# Allegro board buddy_lay_rev1.brd (continued)
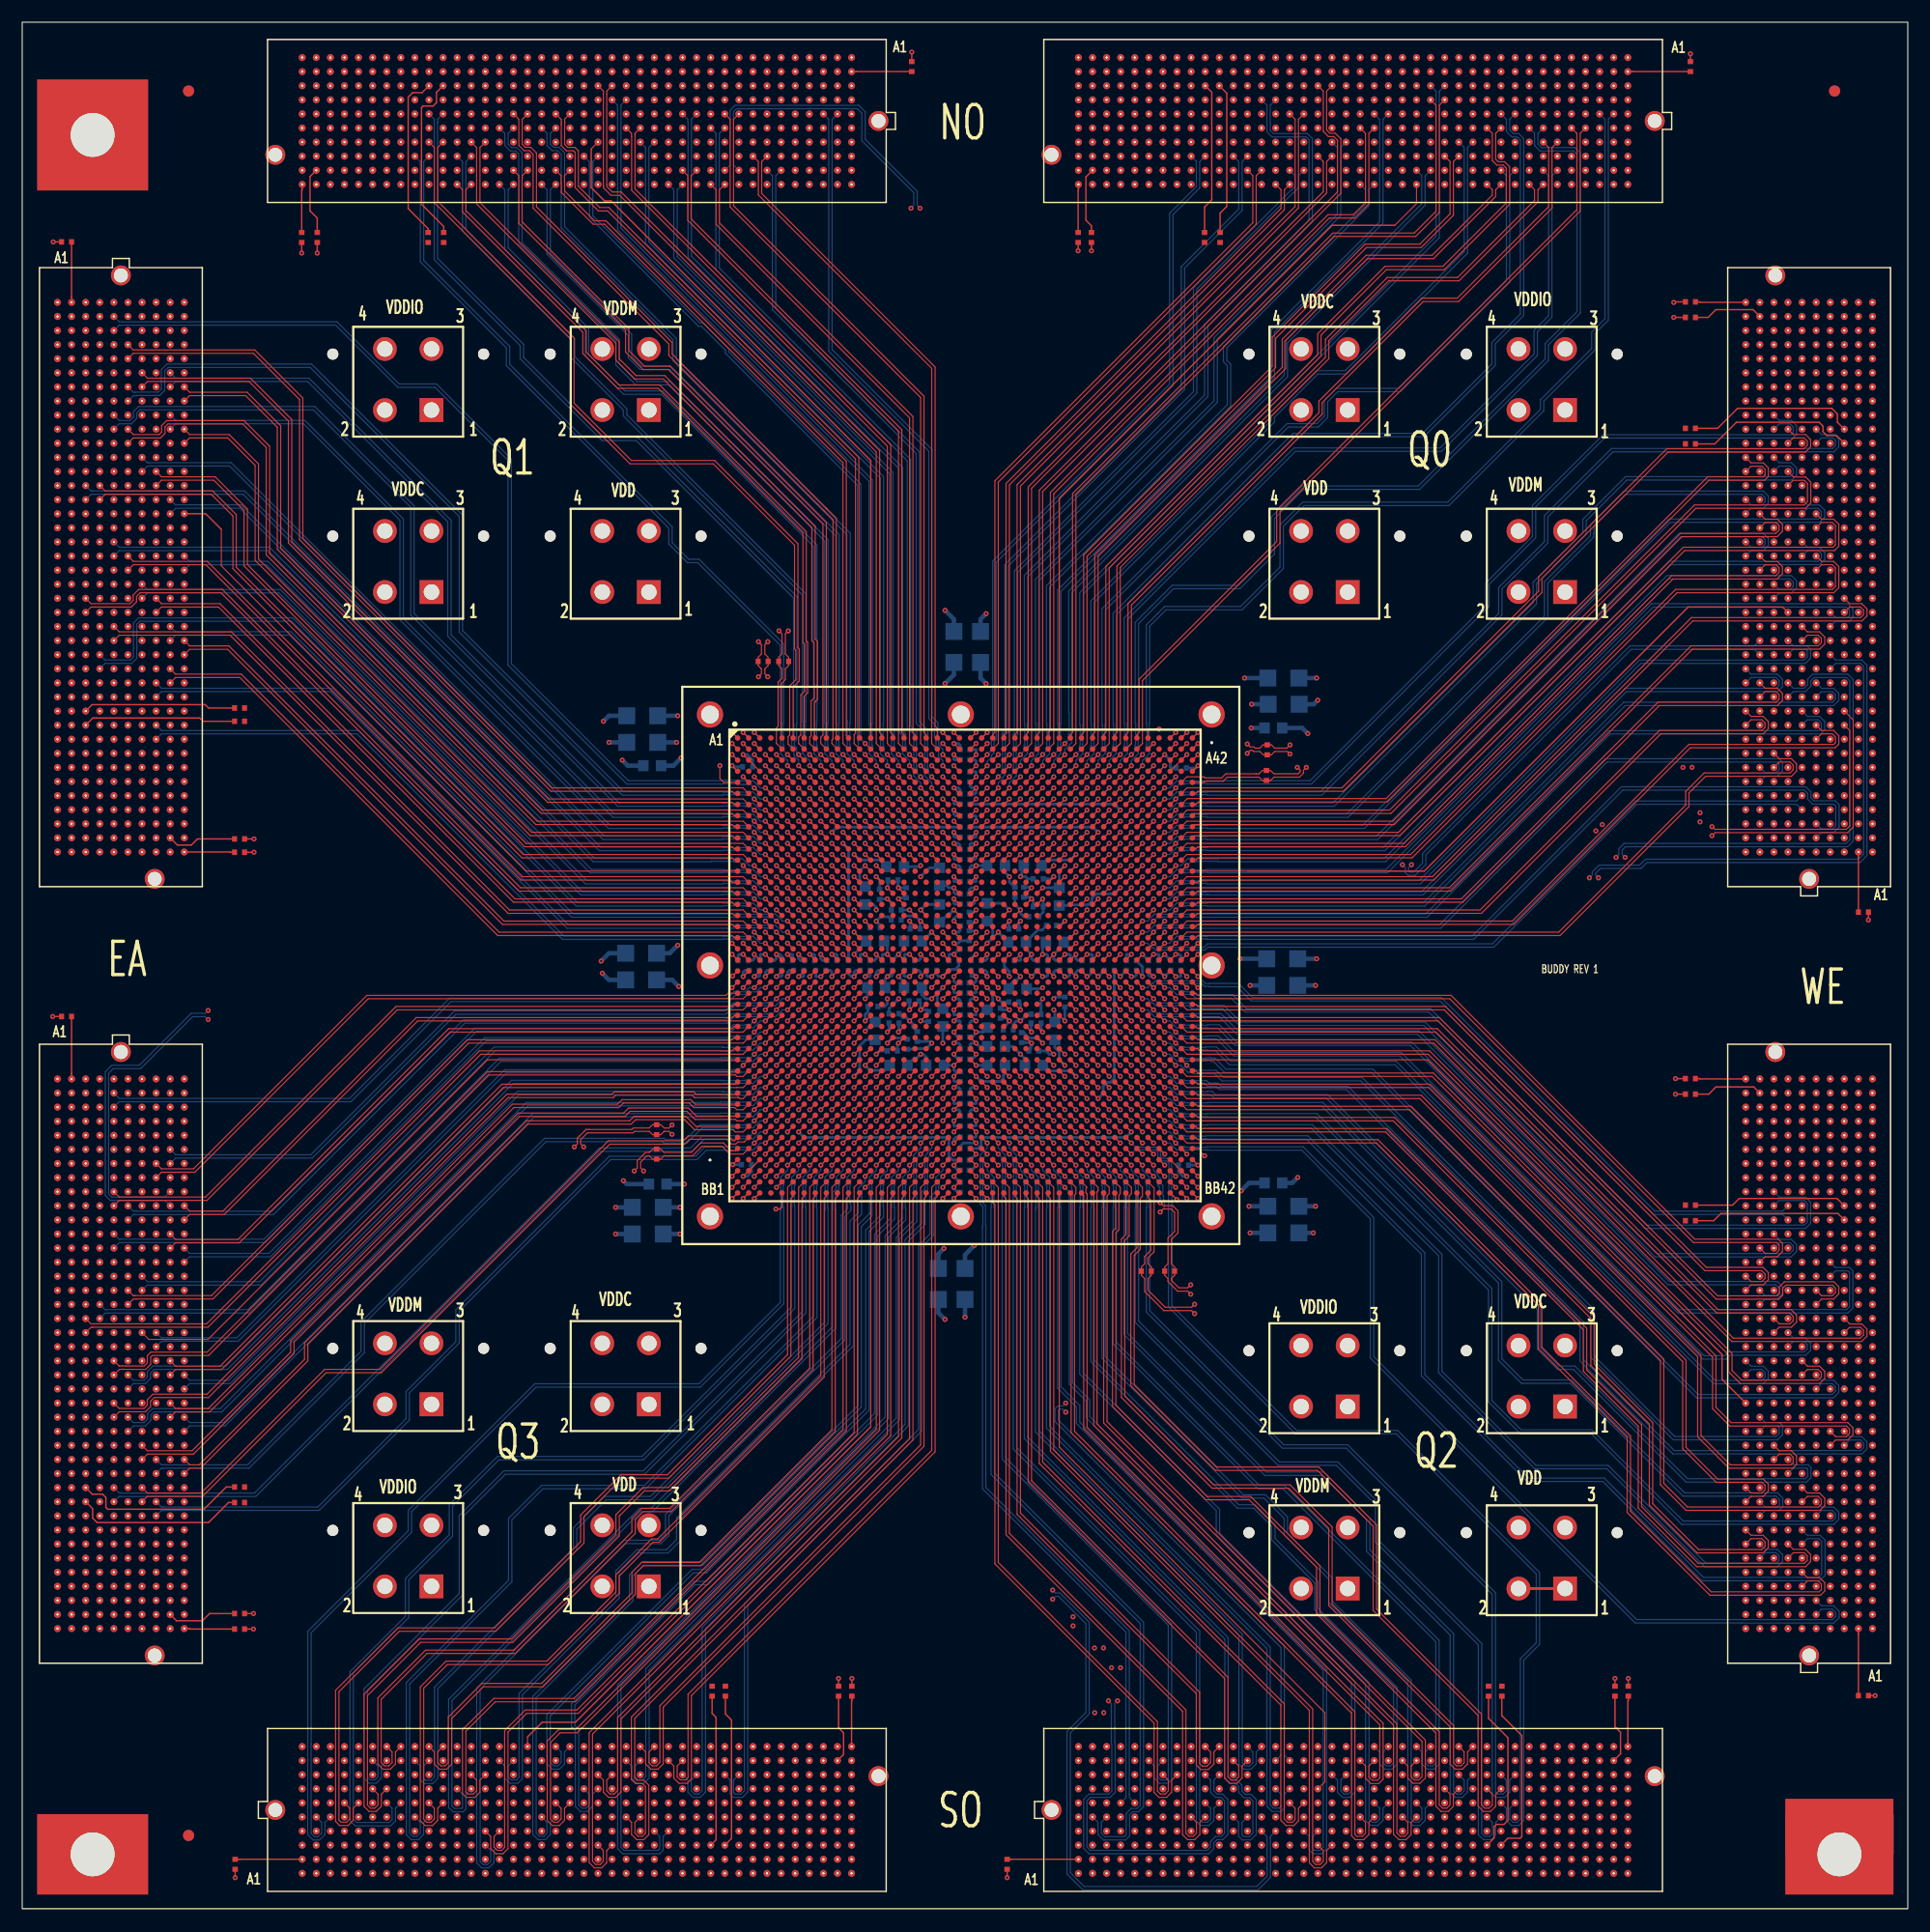
[diagram p0: board, top side]
## Routing (per net, layer and track width the routed paths; a pad name or vN(x,y) marks a point on that pad's centre or on a via; arc(x,y) is an arc through that point) (continued)
WE_P98: length 74.6
  TOP w0.127: U1.AJ31 v1(95,77)
  SIGNAL_L10 w0.081: v1(95,77) 95.4,77 95.9,76.5 110.5,76.5
  SIGNAL_L10 w0.083: J4.K16 123.18,76.5 110.5,76.5
WE_P99: length 73.1
  TOP w0.102: U1.AK41 v1(105,76)
  BOTTOM w0.102: J4.J15 157.14,43.51 158.29,43.51 158.4,43.4 158.4,42.84 158.12,42.56 148.98,42.56 141.7,49.84 141.7,54 120.8,74.9 108.28,74.9 107.63,75.55 105.81,75.55 105.69,75.67 105.54,75.67 105.54,75.68 105.32,75.68 v1(105,76)
WE_P100: length 79.5
  TOP w0.127: U1.AK39 v1(103,76)
  SIGNAL_L12 w0.081: J4.H16 158.39,44.76 159.37,44.76 159.65,44.48 159.65,44.1 159.36,43.81 145.5,43.81 140.99,48.33 139.8,48.33 137.29,50.84 137.29,53.47 133.4,57.37 133.4,65.4 123.14,75.67 108.34,75.67 108.3,75.63 103.85,75.63 103.84,75.63 103.8,75.63 103.77,75.67 103.33,75.67 v1(103,76)
WE_P101: length 78.9
  TOP w0.127: U1.AK37 v1(101,76)
  SIGNAL_L3 w0.081: v1(101,76) 101.34,75.66 101.78,75.66 101.81,75.63 108.35,75.63 108.38,75.66 122.95,75.66 149.28,49.34 149.28,46.32 150.5,45.1 160.77,45.1 161.25,44.62 161.25,43.97 160.77,43.48 159.65,43.48 J4.G15
WE_P102: length 81.1
  TOP w0.127: U1.AK35 v1(99,76)
  SIGNAL_L10 w0.081: v1(99,76) 99,75.97 98.52,75.49 98.52,75.37 98.63,75.26 98.63,74.85 98.85,74.63 105.57,74.63 105.6,74.67 123.2,74.67 154.04,43.83 161.92,43.83 162.19,44.1 162.19,44.48 161.91,44.76 160.93,44.76 J4.F16
WE_P103: length 84.7
  TOP w0.127: U1.AK32 v1(96,76)
  SIGNAL_L5 w0.081: 161.74,43.02 162.2,43.49 163.32,43.49 163.79,43.97 163.79,44.62 163.31,45.11 152.96,45.11 143.66,54.4 122.4,75.67 105.59,75.67 105.53,75.61 105.42,75.61 105.38,75.65 105.35,75.65 105.33,75.63 96.85,75.63 96.8,75.68 96.32,75.68 v1(96,76)
WE_P104: length 78.7
  TOP w0.102: J4.D14 163.49,42.24 164.58,42.24 165.05,42.7 165.05,43.34 164.59,43.8 154.08,43.8 152.7,45.18 152.7,49.83 127.23,75.3 106,75.3 105.8,75.5 U1.AL42
WE_P105: length 81.2
  TOP w0.127: U1.AL40 v1(104,75)
  BOTTOM w0.102: J4.C14 164.76,42.24 165.72,42.24 166.01,41.95 166.01,41.56 165.74,41.29 148.95,41.29 140.75,49.48 140.75,52.88 119.51,74.12 108.08,74.12 107.8,74.4 107,74.4 106.78,74.62 104.84,74.62 104.78,74.68 104.32,74.68 v1(104,75)
WE_P106: length 78.2
  TOP w0.127: U1.AL38 v1(102,75)
  SIGNAL_L12 w0.081: J4.K13 155.85,40.95 156.97,40.95 157.44,41.43 157.44,42.08 156.97,42.55 144.9,42.55 140.22,47.23 139.02,47.23 136.5,49.75 136.5,51.57 132.25,55.82 132.25,62.97 120.55,74.67 107.34,74.67 107.3,74.63 102.85,74.63 102.84,74.63 102.8,74.63 102.77,74.67 102.33,74.67 v1(102,75)
WE_P107: length 79.7
  TOP w0.127: U1.AL36 v1(100,75)
  SIGNAL_L3 w0.081: v1(100,75) 100.34,74.66 100.78,74.66 100.81,74.63 107.62,74.63 107.65,74.66 122.5,74.66 147.53,49.64 147.53,44.58 150.83,41.27 158.25,41.27 158.71,40.81 158.71,40.16 158.24,39.68 157.12,39.68 J4.J12
WE_P108: length 75.3
  TOP w0.102: U1.AM42 105.8,74.5 106,74.3 126.93,74.3 151.35,49.88 151.35,42.65 154,40 159.5,40 159.66,40.16 159.66,40.68 159.37,40.97 158.41,40.97 J4.H13
WE_P109: length 77.2
  TOP w0.127: U1.AM40 v1(104,74)
  BOTTOM w0.102: J4.G12 159.68,39.7 160.9,39.7 160.96,39.64 160.96,38.96 160.75,38.75 155.19,38.75 155.19,38.75 150.13,38.75 139.98,48.9 138.55,48.9 136.9,50.55 136.9,54.15 117.7,73.35 107.58,73.35 107.28,73.65 106.9,73.65 106.87,73.62 104.84,73.62 104.78,73.68 104.32,73.68 v1(104,74)
WE_P110: length 84.6
  TOP w0.127: U1.AM38 v1(102,74)
  SIGNAL_L12 w0.081: v1(102,74) 102.33,73.67 102.77,73.67 102.8,73.63 102.84,73.63 102.85,73.63 107.3,73.63 107.34,73.67 119.48,73.67 131.05,62.1 131.05,52.52 137.4,46.17 137.4,43.8 141.2,40 162.02,40 162.19,40.18 162.19,40.67 161.91,40.95 160.93,40.95 J4.F13
WE_P111: length 83.6
  TOP w0.127: U1.AM36 v1(100,74)
  SIGNAL_L3 w0.081: v1(100,74) 100.34,73.66 100.78,73.66 100.81,73.63 107.35,73.63 107.38,73.66 120.47,73.66 141.68,52.46 141.68,48.7 151.65,38.73 163.23,38.73 163.49,38.99 163.49,39.4 163.21,39.68 162.2,39.68 161.74,39.21
WE_P112: length 74.2
  TOP w0.102: U1.AN42 105.8,73.5 106,73.3 126.13,73.3 150,49.43 150,41.58 152.86,38.72 156.98,38.72 157.43,38.26 157.43,37.62 156.96,37.16 155.87,37.16 J4.K10
WE_P113: length 77.6
  TOP w0.127: U1.AN40 v1(104,73)
  BOTTOM w0.102: J4.J9 157.14,35.89 158.39,35.89 158.73,36.23 158.73,37 158.26,37.48 149.87,37.48 139.7,47.65 135.3,47.65 133.4,49.55 133.4,56.51 117.26,72.65 106.87,72.65 106.83,72.62 104.84,72.62 104.78,72.68 104.32,72.68 v1(104,73)
WE_P114: length 84
  TOP w0.127: U1.AN38 v1(102,73)
  SIGNAL_L12 w0.081: J4.H10 158.39,37.14 159.25,37.14 159.26,37.16 159.52,37.16 159.98,37.62 159.98,38.27 159.5,38.75 138.52,38.75 128.35,48.92 128.35,62.2 117.88,72.67 107.34,72.67 107.3,72.63 102.85,72.63 102.84,72.63 102.8,72.63 102.77,72.67 102.33,72.67 v1(102,73)
WE_P115: length 82.4
  TOP w0.127: U1.AN36 v1(100,73)
  SIGNAL_L3 w0.081: v1(100,73) 100.34,72.66 100.78,72.66 100.81,72.63 107.35,72.63 107.38,72.66 119.1,72.66 136.93,54.84 136.93,50.69 152.69,34.92 160.65,34.92 160.92,35.2 160.92,35.59 160.64,35.87 159.66,35.87 J4.G9
WE_P116: length 80.9
  TOP w0.102: J4.F10 160.95,37.16 161.91,37.16 162.2,36.87 162.2,36.45 161.95,36.2 150.13,36.2 148,38.33 148,49.53 125.23,72.3 106,72.3 105.8,72.5 U1.AP42
WE_P117: length 84
  TOP w0.127: U1.AP40 v1(104,72)
  BOTTOM w0.102: v1(104,72) 104.32,71.68 104.78,71.68 104.84,71.62 106.8,71.62 106.83,71.65 116.73,71.65 132.5,55.88 132.5,45.8 135.15,43.15 141.53,43.15 149.75,34.94 163.2,34.94 163.47,35.21 163.47,35.6 163.18,35.89 162.22,35.89 161.74,35.4
WE_P118: length 89.7
  TOP w0.127: U1.AP38 v1(102,72)
  SIGNAL_L12 w0.081: J4.D8 163.47,34.6 164.59,34.6 165.06,35.08 165.06,35.85 164.7,36.22 154.75,36.22 153.34,37.63 137.59,37.63 126.53,48.69 126.53,61.84 116.7,71.67 107.43,71.67 107.39,71.63 102.85,71.63 102.84,71.63 102.8,71.63 102.77,71.67 102.33,71.67 v1(102,72)
WE_P119: length 98.6
  TOP w0.127: U1.AP36 v1(100,72)
  SIGNAL_L12 w0.081: v1(100,72) 99.67,71.67 99.67,71.26 99.63,71.22 99.63,69.88 99.63,69.88 99.63,69.85 99.85,69.63 99.88,69.63 99.89,69.63 100.26,69.63 100.63,69.26 100.63,68.89 100.63,68.88 100.63,68.85 100.85,68.63 100.88,68.63 100.89,68.63 105.2,68.63 105.23,68.66 107.39,68.66 117.65,58.4 117.65,50.52 132.88,35.29 132.88,34.22 135.99,31.11 165.71,31.11 166.03,31.43 166.03,36.87 165.76,37.14 164.74,37.14 J4.C10
WE_P120: length 77.2
  TOP w0.102: U1.AR42 105.8,71.5 106,71.3 123.73,71.3 141.73,53.3 141.73,49.07 147,43.8 147,36.5 151.13,32.37 156.84,32.37 157.12,32.65 157.12,33.06 156.83,33.35 155.87,33.35 J4.K7
WE_P121: length 80.4
  TOP w0.127: U1.AR40 v1(104,71)
  BOTTOM w0.102: J4.J6 157.14,32.08 158.1,32.08 158.39,31.79 158.39,31.4 158.12,31.13 151.81,31.13 142.98,39.95 136.48,39.95 128,48.43 128,58.97 116.32,70.65 106.87,70.65 106.83,70.62 104.84,70.62 104.78,70.68 104.32,70.68 v1(104,71)
WE_P122: length 82.4
  TOP w0.127: U1.AR38 v1(102,71)
  SIGNAL_L3 w0.081: v1(102,71) 102.34,70.66 102.78,70.66 102.81,70.63 109.35,70.63 109.38,70.66 116.6,70.66 132.75,54.52 132.75,45.22 140.97,37 146.17,37 150.76,32.41 159.41,32.41 159.65,32.65 159.65,33.05 159.37,33.33 158.39,33.33 J4.H7
WE_P123: length 80.8
  TOP w0.102: U1.AT42 105.8,70.5 106,70.3 123.05,70.3 141.05,52.3 141.05,48.55 146,43.6 146,36.23 151.11,31.13 160.66,31.13 160.93,31.4 160.93,31.79 160.64,32.08 159.68,32.08 J4.G6
WE_P124: length 87.1
  TOP w0.127: U1.AT40 v1(104,70)
  BOTTOM w0.102: J4.F7 160.95,33.35 161.97,33.35 162.23,33.09 162.23,30.16 161.93,29.85 151.58,29.85 142.63,38.8 135.8,38.8 126.45,48.15 126.45,59.1 115.9,69.65 106.71,69.65 106.67,69.62 104.84,69.62 104.78,69.68 104.32,69.68 v1(104,70)
WE_P125: length 88.8
  TOP w0.127: U1.AT38 v1(102,70)
  SIGNAL_L12 w0.081: 161.74,31.59 162.22,32.08 163.48,32.08 163.8,32.4 163.8,33.25 163.4,33.65 153.65,33.65 150.7,36.6 135.02,36.6 122.05,49.57 122.05,62.95 115.33,69.67 107.39,69.67 107.35,69.63 102.85,69.63 102.84,69.63 102.8,69.63 102.77,69.67 102.33,69.67 v1(102,70)
WE_P126: length 82.6
  TOP w0.102: U1.AU42 105.8,69.5 106,69.3 122.23,69.3 137,54.53 137,50.6 145,42.6 145,35.83 152.27,28.56 162.01,28.56 162.2,28.75 162.2,29.25 161.91,29.54 160.95,29.54 J4.F4
WE_P127: length 87.9
  TOP w0.127: U1.AU40 v1(104,69)
  BOTTOM w0.102: v1(104,69) 104.32,68.68 104.78,68.68 104.84,68.62 106.8,68.62 106.83,68.65 115.49,68.65 121.85,62.29 121.85,49.75 145.55,26.05 155.18,26.05 155.19,26.05 163.2,26.05 163.5,26.35 163.5,26.68 163.18,27 162.22,27 161.74,26.51
WE_VADJ0: length 9.8
  TOP w0.127: R130.2 v1(148.9,143.4) ; v1(148.9,144.75) 148.95,144.8 R131.2
  PWR_L7 w0.254: 161.74,143.49 161.74,143.96 ; 161.74,143.49 161.74,143.01 ; 161.74,143.49 162.21,143.49 ; 161.74,143.49 161.26,143.49 ; 157.93,144.28 J3.H40 ; J3.H40 157.93,145.23 ; J3.H40 158.4,144.76 ; J3.H40 157.45,144.76 ; 158.72,143.49 J3.G39 ; J3.G39 159.19,143.01 ; J3.G39 159.67,143.49 ; J3.G39 159.19,143.96 ; 160.47,144.28 J3.F40 ; J3.F40 160.47,145.23 ; J3.F40 160.94,144.76 ; J3.F40 159.99,144.76
WE_VADJ1: length 9.5
  TOP w0.127: R136.2 v1(149.05,74.8) ; R135.2 v1(149.05,73.4)
  PWR_L7 w0.254: J4.G39 159.19,73.98 ; J4.G39 159.67,73.5 ; J4.G39 158.72,73.5 ; J4.G39 159.19,73.03 ; J4.H40 158.4,74.77 ; J4.H40 157.45,74.77 ; J4.H40 157.93,74.3 ; J4.H40 157.93,75.25 ; 161.74,73.5 161.74,73.98 ; 161.74,73.5 161.74,73.03 ; 161.74,73.5 162.21,73.5 ; 161.74,73.5 161.26,73.5 ; J4.F40 160.94,74.77 ; J4.F40 159.99,74.77 ; J4.F40 160.47,74.3 ; J4.F40 160.47,75.25

## Copper pours and planes (outline as drawn; the poured copper is in the pictures)
GND on GND_L2: 1.27,1.27 1.27,168.73 168.73,168.73 168.73,1.27
GND on GND_L4, SIGNAL_L6, SIGNAL_L9, GND_L11, GND_L13: 1.27,1.27 168.73,1.27 168.73,168.73 1.27,168.73
EA_3P3V on PWR_L8: 1.27,23.7 1.27,152.4 7.8,152.4 7.8,23.7
EA_12P0V on PWR_L7: 1.27,103.12 1.6,103.45 5,103.45 5,103.35 6.45,101.9 6.45,98.65 4.95,97.15 4.95,33.5 6.3,32.15 6.3,28.5 5,27.2 5,24.65 4.35,24 1.65,24 1.27,24.38
EA_VADJ0 on PWR_L7: 7.7,97.08 21.6,97.08 21.6,94.43 7.7,94.43
EA_VADJ1 on PWR_L7: 7.7,27.1 21.6,27.1 21.6,24.45 7.7,24.45
Net_1 on BOTTOM (solid shape): 168.7,4.9 158.96,4.9 158.96,9.9 168.7,9.9
Net_2 on TOP (solid shape): 168.7,4.9 158.96,4.9 158.96,9.9 168.7,9.9
NO_3P3V on PWR_L8: 23.7,168.73 152.4,168.73 152.4,162.2 23.7,162.2
NO_12P0V on PWR_L7: 103.12,168.73 103.45,168.4 103.45,165 103.35,165 101.9,163.55 98.65,163.55 97.15,165.05 33.5,165.05 32.15,163.7 28.5,163.7 27.2,165 24.65,165 24,165.65 24,168.35 24.38,168.73
NO_VADJ0 on PWR_L7: 27.1,162.3 27.1,148.4 24.45,148.4 24.45,162.3
NO_VADJ1 on PWR_L7: 97.08,162.3 97.08,148.4 94.43,148.4 94.43,162.3
Q0_VDD on PWR_L7: 121.1,137.9 112.9,137.9 111,136 111,111.7 109.5,110.2 109.5,105.8 107.3,103.6 103.3,103.6 92.9,93.2 92.9,88.6 93.8,87.7 96.2,87.7 97.1,88.6 97.1,93.9 102.8,99.6 112.5,99.6 121.1,108.2
Q0_VDDC on PWR_L8: 85.5,85.5 144.5,85.5 144.5,144.5 85.5,144.5
Q0_VDDIO on SIGNAL_L10: 143,145.5 119,145.5 96.5,123 96.5,98.5 87,89 87,88.5 88.5,87 89,87 97.5,95.5 105,95.5 125,115.5 141.5,115.5 144,118 144,144.5
Q0_VDDM on PWR_L7: 85.42,84.5 85.42,144.5 144.5,144.5 144.5,84.5
Q1_VDD on PWR_L7: 49.7,137.9 57.1,137.9 59,136 59,111.7 60.5,110.2 60.5,105.8 62.8,103.5 66.8,103.5 77.1,93.2 77.1,88.6 76.2,87.7 73.8,87.7 72.9,88.6 72.9,94 67.3,99.6 57.5,99.6 49.7,107.4
Q1_VDDC on PWR_L8: 24.5,85.5 84.5,85.5 84.5,144.5 24.5,144.5
Q1_VDDIO on SIGNAL_L10: 27,145.5 49,145.5 73.5,121 73.5,98.5 83,89 83,88.5 81.5,87 81,87 72.5,95.5 65,95.5 45,115.5 28.5,115.5 26,118 26,144.5
Q1_VDDM on PWR_L7: 85.01,84.5 85.01,144.5 24.5,144.5 24.5,84.5
Q2_VDD on SIGNAL_L10: 143,24.5 115.5,24.5 113.5,26.5 113.5,51.31 94.05,70.65 94.05,73.95 87,81.05 87,81.5 88.5,83 89,83 97.5,74.5 105,74.5 125,54.5 141.5,54.5 144,52 144,25.5
Q2_VDDC on PWR_L7: 85.46,84.7 85.46,24.5 144.5,24.5 144.5,84.7
Q2_VDDIO on PWR_L7: 121.6,31.1 112.9,31.1 111,33 111,57.3 109.5,58.8 109.5,63.2 106.4,66.3 102.4,66.3 92.9,75.8 92.9,80.4 93.8,81.3 96.2,81.3 96.6,80.9 96.6,74.95 102.15,69.4 112.5,69.4 121.6,60.3
Q2_VDDM on PWR_L8: 85.5,24.5 144.5,24.5 144.5,84.5 85.5,84.5
Q3_VDD on PWR_L7: 49.7,31.1 57.1,31.1 59,33 59,57.3 60.5,58.8 60.5,63.2 63.6,66.3 67.6,66.3 77.1,75.8 77.1,80.4 76.2,81.3 73.8,81.3 72.9,80.4 72.9,76 66.3,69.4 57.5,69.4 49.7,61.6
Q3_VDDC on PWR_L8: 24.5,24.5 84.5,24.5 84.5,84.5 24.5,84.5
Q3_VDDIO on SIGNAL_L10: 27,24.5 54.5,24.5 73.5,43.5 73.5,71.5 83,81 83,81.5 81.5,83 81,83 72.5,74.5 65,74.5 45,54.5 28.5,54.5 26,52 26,25.5
Q3_VDDM on PWR_L7: 85.09,84.5 85.09,24.5 24.5,24.5 24.5,84.5
SO_3P3V on PWR_L8: 146.3,1.27 17.6,1.27 17.6,7.8 146.3,7.8
SO_12P0V on PWR_L7: 66.88,1.27 66.55,1.6 66.55,5 66.65,5 68.1,6.45 71.35,6.45 72.85,4.95 136.5,4.95 137.85,6.3 141.5,6.3 142.8,5 145.35,5 146,4.35 146,1.65 145.62,1.27
SO_VADJ0 on PWR_L7: 72.92,7.7 72.92,21.6 75.57,21.6 75.57,7.7
SO_VADJ1 on PWR_L7: 142.9,7.7 142.9,21.6 145.55,21.6 145.55,7.7
WE_3P3V on PWR_L8: 168.73,146.3 168.73,17.6 162.2,17.6 162.2,146.3
WE_12P0V on PWR_L7: 168.73,66.88 168.4,66.55 165,66.55 165,66.65 163.55,68.1 163.55,71.35 165.05,72.85 165.05,136.5 163.7,137.85 163.7,141.5 165,142.8 165,145.35 165.65,146 168.35,146 168.73,145.62
WE_VADJ0 on PWR_L7: 162.3,142.9 148.4,142.9 148.4,145.55 162.3,145.55
WE_VADJ1 on PWR_L7: 162.3,72.92 148.4,72.92 148.4,75.57 162.3,75.57

## Text on the board
Board Geometry/Soldermask Bottom: SOLDER MASK / BTM SIDE
Ref Des/Silkscreen Bottom: SILKSCREEN / BTM SIDE
User.Comments: FULL | 1  OF  1 | C | 0 | 1 | FABRICATION DRAWING
Board Geometry/Soldermask Top: SOLDER MASK / TOP SIDE
Ref Des/Silkscreen Top: BUDDY REV 1 | SILKSCREEN / TOP SIDE | VDDIO | VDDM | VDDC | VDD | EA | Q1 | Q3 | SO | NO | Q0 | Q2 | WE
PAGE_OUTLINE: UNLESS OTHERWISE SPECIFIED | DIMENSIONS ARE IN mm | TOLERANCES ON; | 2 PL DECIMALS +/-.25mm | 3 PL DECIMALS +/-.125mm | ANGLES + | FRACTIONS + | SIGNATURES | DATE | SCALE - | SIZE | FSCM NO | DWG NO | SHEET | DWG REV | REV | 1 | Initial Release of Buddy | DESCRIPTION | REVISIONS | 4/25/17 | APPROVED | BUDDY | D | C | B | A | 4 | 3 | 2
SOLDER_PASTE_TOP: SOLDER PASTE / TOP SIDE
User.5: SOLDER PASTE / BTM SIDE
User.8: 12. All dimensions are in millimeters (mm). | 13. Tolerances: .XX=+/-0.25mm  .XXX=+/-0.125mm. | 14. Non-Functional pads may be removed from internal layers. | 11. PCB stackup shall yield 50 OHM single ended. | 10. All holes to be plated through unless otherwise noted. | 8. Silkscreen both sides of board (non-conductive white epoxy ink). | 9. Minimum conductor to conductor spacing: .100mm. | 1. This board to be built to IPC pwb Class-2 | 2. PCB is 14 layers. See BUDDY_Board_Stackup.pdf for stackup and impedance details. | 3. PCB Material: 370HR | 4. Finish: All exposed copper shall be ENIG. Soldermask shall be blue. | 5. Copper thickness on external layers to be 0.5 oz plus plating. | 7. All laminate materials used on this PWB must be formally qualified for, | 6. Copper thickness on internal layers (unless otherwise noted) to be 1 oz. | NOTES: | Acceptable impedance tolerance to be 10%. | 50 OHM single ended requirement on L3, L12, and L14 can be ignored | Stackup_REF1 - Describes the designed impedance | Stackup_REF2 - Manufacturer adjusted stack up (Approved by Adapteva 4/25/17) | Manufacturer is allowed to make minor adjustments | to trace/space and stackup to achieve required impedance. | and compatible with, Pb-free assembly processing temperatures | epoxy fill and capped over with conductive copper plating. | This board uses via in pad technology. 0.2029mm vias shall be filled with non-conductive | Freestanding vias (not in pads) to be masked over with solder mask on both sides. | Top Side     / Layer 1 of 14 | Gnd Plane    / Layer 2 of 14 | Inner Signal / Layer 3 of 14 | Gnd Plane    / Layer 4 of 14 | Inner Signal / Layer 5 of 14 | Gnd Signal   / Layer 6 of 14 | Pwr Plane    / Layer 7 of 14 | Pwr Plane    / Layer 8 of 14 | Gnd Signal   / Layer 9 of 14 | Inner Signal / Layer 10 of 14 | Gnd Plane    / Layer 11 of 14 | Inner Signal / Layer 12 of 14 | Gnd Plane    / Layer 13 of 14 | Bottom Side  / Layer 14 of 14 | PCB STACKUP P/N BUDDY Board
User.14: 1X | 1  OF  2 | Viewed From Top Side | C | ASM -Top Side | 1
User.16: C116 | 1X | 2  OF  2 | VIEWED FROM BOTTOM SIDE | C | ASM -Btm Side | 1
User.18: FIGURE | SIZE | 0.2029 | 1.4 | 1.61 | 3.96 | 0.85 | 1.27 | 3.0 | DRILL CHART: TOP to BOTTOM | ALL UNITS ARE IN MILLIMETERS | TOLERANCE | +0.0/-0.2029 | +0.0762/-0.0762 | PLATED | NON-PLATED | QTY | 4674 | 64 | 8 | 3 | 2 | 16 | 32
User.26: TOP SIDE / LAYER 1 OF 14
User.27: GND PLANE / LAYER 2 OF 14
User.28: INNER SIGNAL / LAYER 3 OF 14
User.29: GND PLANE / LAYER 4 OF 14
User.30: INNER SIGNAL / LAYER 5 OF 14
User.31: GND PLANE / LAYER 6 OF 14
User.32: PWR PLANE / LAYER 7 OF 14
User.33: PWR PLANE / LAYER 8 OF 14
User.34: GND PLANE / LAYER 9 OF 14
User.35: INNER SIGNAL / LAYER 10 OF 14
User.36: GND PLANE / LAYER 11 OF 14
User.37: INNER SIGNAL / LAYER 12 OF 14
User.38: GND PLANE / LAYER 13 OF 14
User.39: BOTTOM SIDE / LAYER 14 OF 14
